# Altium PCB EDA-03518-V3-0_pcb.pcbdoc (part 4 of 14) (continued)
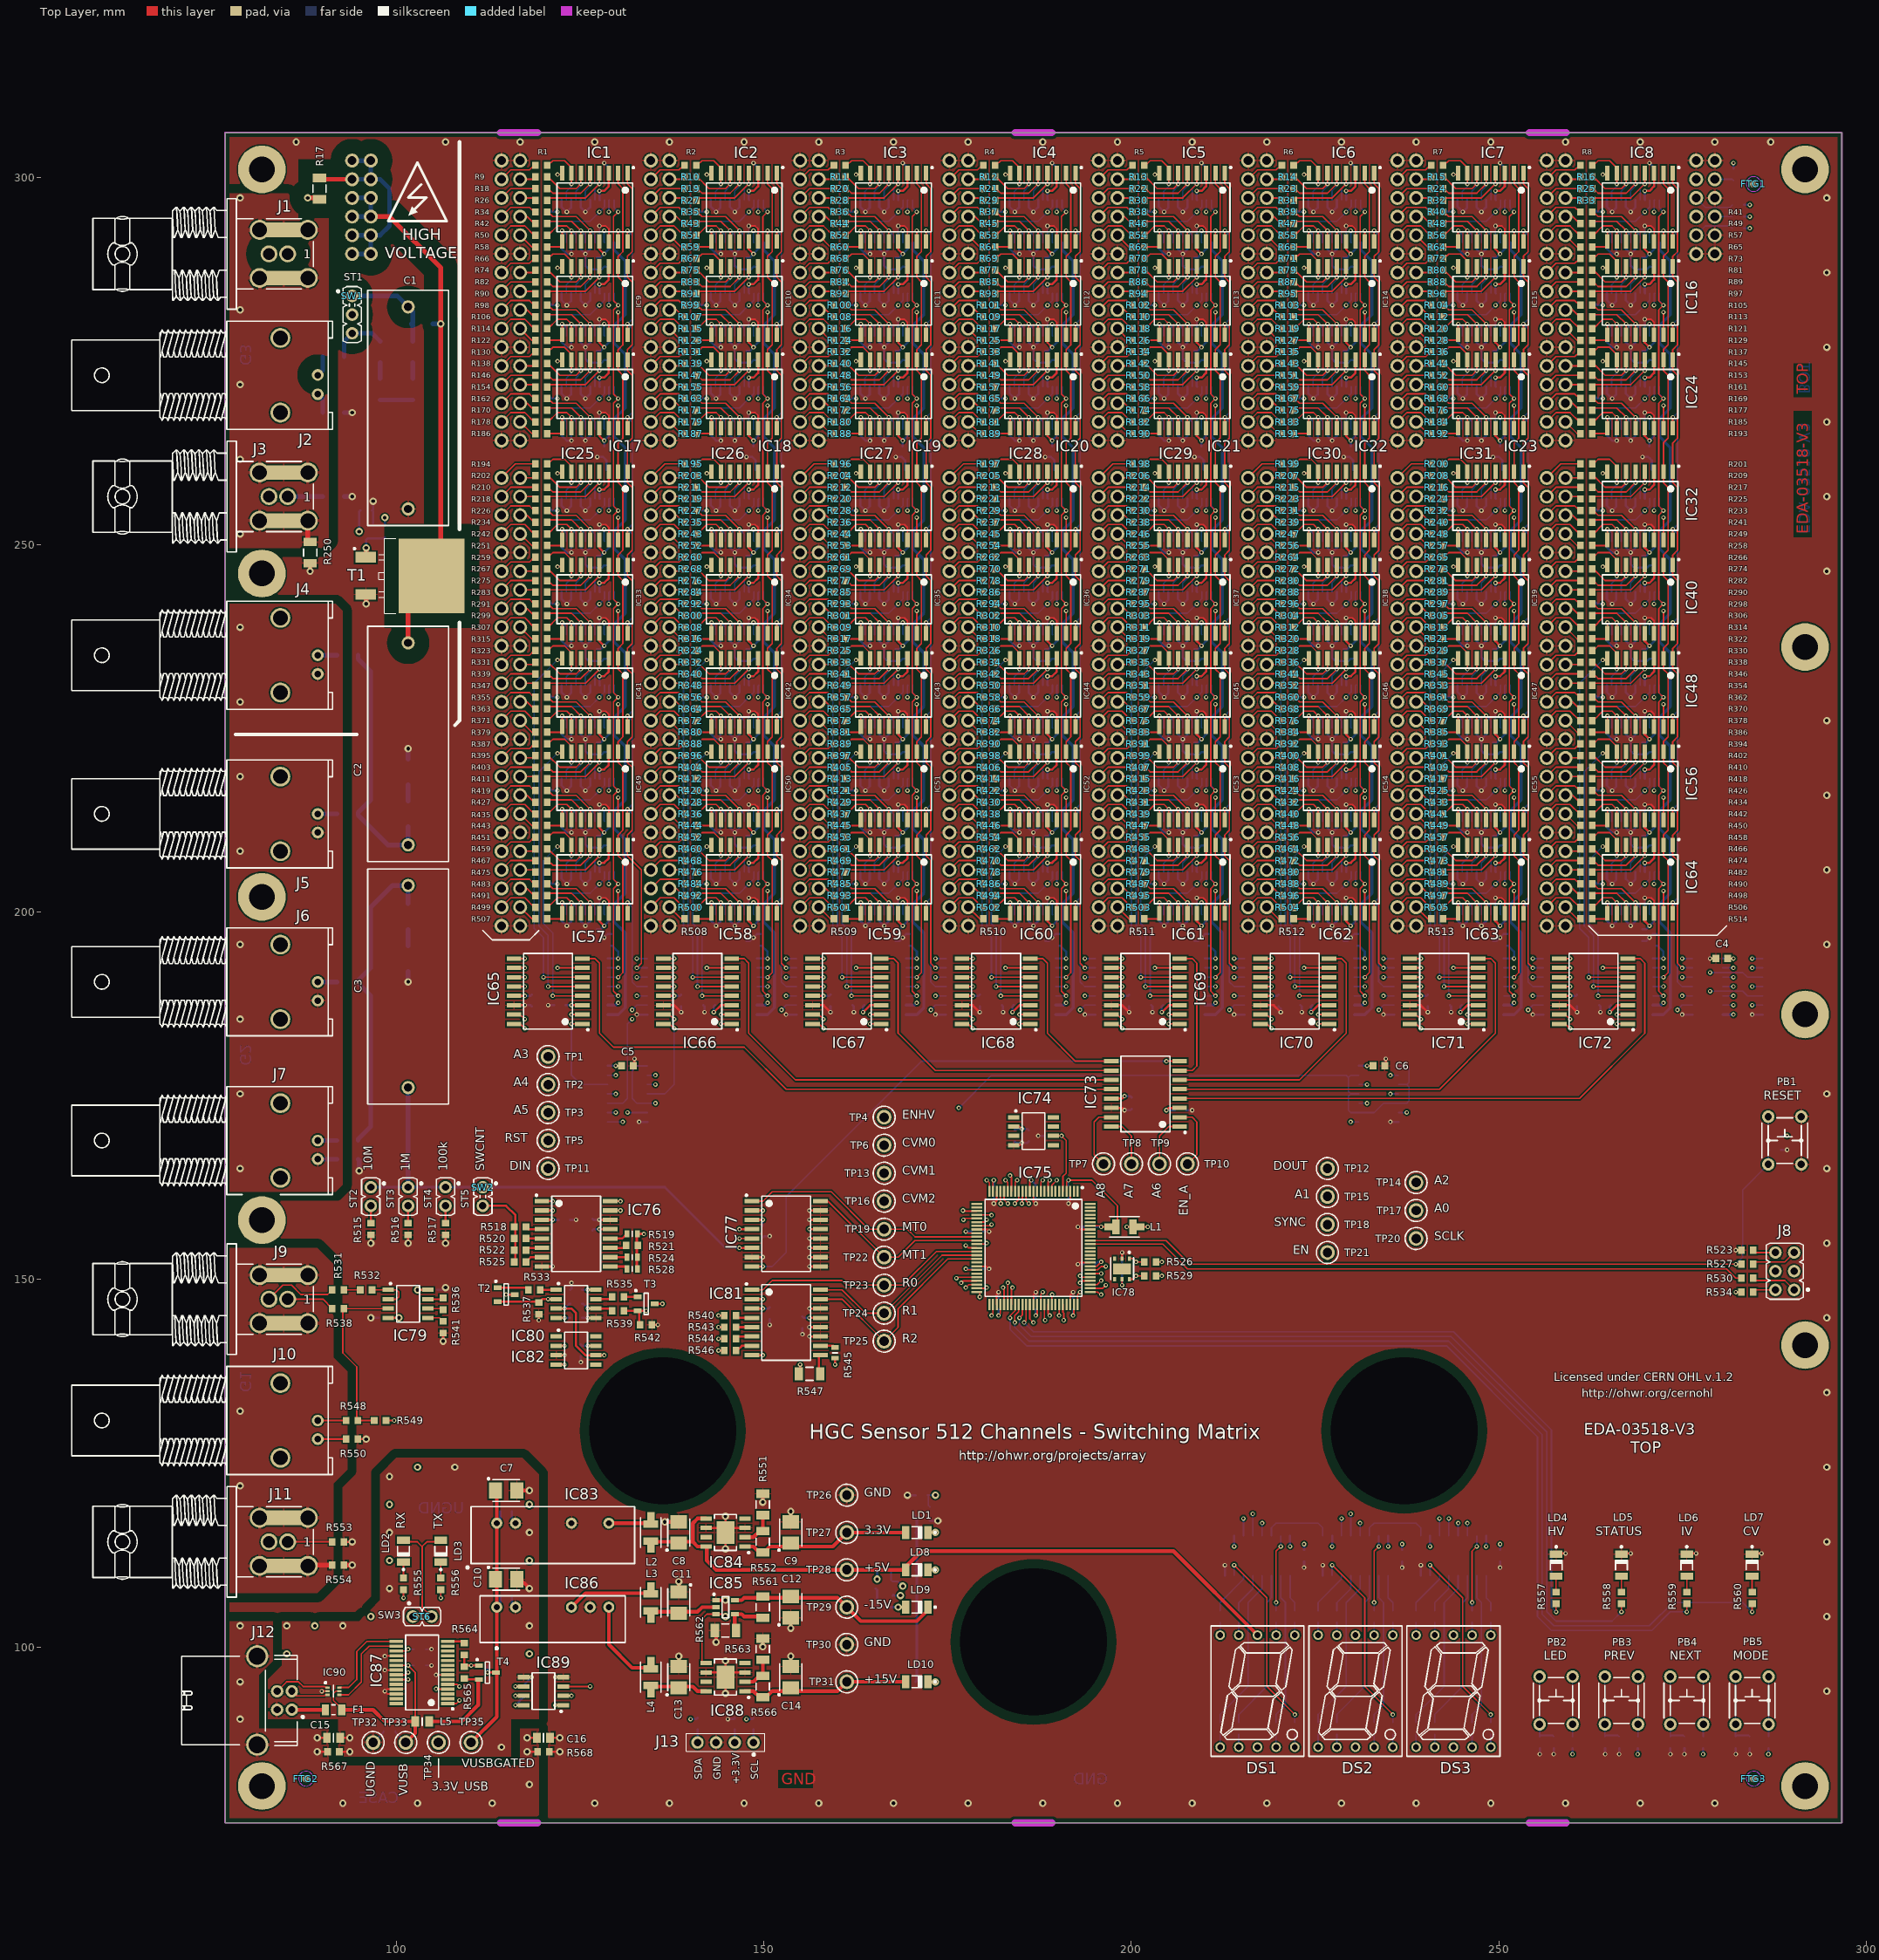
[diagram p0: Top Layer view]
## Nets (pads, with @x,y where several pads share a name; then routed paths per layer and width w, separated by ;. In a path a pad name is that pad's centre, name@x,y a point inside that pad or via, vN(x,y) a via of type N, cw(c..) or ccw(c..) an arc to the next point about the centre after c; other vN are vias at no path point) (continued)
+VREF: C173.2 IC74.6 IC75.5 | length 9.9
  Top Layer w0.203: IC74.6@189.39,169.545 v1(190.5,169.545) 191.135,168.91 191.135,164.465 190.69,164.02 IC75.5@190.69,162.005
  Bottom Layer w0.203: C173.2@189.713,169.545 v1(190.5,169.545)
-15V: C12.2 C17.2 C18.2 C19.2 C20.2 C21.2 C22.2 C23.2 C24.2 C33.2 C34.2 C35.2 C36.2 C37.2 C38.2 C39.2 C40.2 C49.2 C50.2 C51.2 C52.2 C53.2 C54.2 C55.2 C56.2 C65.2 C66.2 C67.2 C68.2 C69.2 C70.2 C71.2 C72.2 C81.2 C82.2 C83.2 C84.2 C85.2 C86.2 C87.2 C88.2 C97.2 C98.2 C99.2 C100.2 C101.2 C102.2 C103.2 C104.2 C113.2 C114.2 C115.2 C116.2 C117.2 C118.2 C119.2 C120.2 C129.2 C130.2 C131.2 C132.2 C133.2 C134.2 C135.2 C136.2 C161.2 C162.2 C163.2 C164.2 C165.2 C166.2 C167.2 C168.2 C170.2 C179.1 C180.1 C192.2 C194.2 C195.1 C197.2 IC1.3 IC2.3 IC3.3 IC4.3 IC5.3 IC6.3 IC7.3 IC8.3 IC9.3 IC10.3 IC11.3 IC12.3 IC13.3 IC14.3 IC15.3 IC16.3 IC17.3 IC18.3 IC19.3 IC20.3 IC21.3 IC22.3 IC23.3 IC24.3 IC25.3 IC26.3 IC27.3 IC28.3 IC29.3 IC30.3 IC31.3 IC32.3 IC33.3 IC34.3 IC35.3 IC36.3 IC37.3 IC38.3 IC39.3 IC40.3 IC41.3 IC42.3 IC43.3 IC44.3 IC45.3 IC46.3 IC47.3 IC48.3 IC49.3 IC50.3 IC51.3 IC52.3 IC53.3 IC54.3 IC55.3 IC56.3 IC57.3 IC58.3 IC59.3 IC60.3 IC61.3 IC62.3 IC63.3 IC64.3 IC65.3 IC66.3 IC67.3 IC68.3 IC69.3 IC70.3 IC71.3 IC72.3 IC73.3 IC76.3 IC77.3 IC79.4 IC80.4 IC81.3 IC82.4 IC85.5 IC91.21 IC92.21 IC93.21 IC94.21 IC95.21 IC96.21 IC97.21 IC98.21 IC99.21 IC100.21 IC101.21 IC102.21 IC103.21 IC104.21 IC105.21 IC106.21 IC107.21 IC108.21 IC109.21 IC110.21 IC111.21 IC112.21 IC113.21 IC114.21 IC115.21 IC116.21 IC117.21 IC118.21 IC119.21 IC120.21 IC121.21 IC122.21 IC123.21 IC124.21 IC125.21 IC126.21 IC127.21 IC128.21 IC129.21 IC130.21 IC131.21 IC132.21 IC133.21 IC134.21 IC135.21 IC136.21 IC137.21 IC138.21 IC139.21 IC140.21 IC141.21 IC142.21 IC143.21 IC144.21 IC145.21 IC146.21 IC147.21 IC148.21 IC149.21 IC150.21 IC151.21 IC152.21 IC153.21 IC154.21 LD9.1 R561.1 TP29.1 | length 475.4
  Top Layer w0.305: IC79.4@98.9,144.78 v2(100.33,144.78) ; IC76.3@119.81,158.115 v1(121.285,158.115) ; IC82.4@121.76,138.43 v1(122.872,138.43) ; IC80.4@121.76,144.78 v1(122.872,144.78) ; v1(123.825,187.325) IC65.3@125.3,187.325 ; v1(127.635,206.692) 128.27,206.692 128.905,207.327 IC57.3@128.905,209.12 ; v1(127.635,219.392) 128.27,219.392 128.905,220.028 IC49.3@128.905,221.82 ; v1(127.635,232.093) 128.27,232.093 128.905,232.727 IC41.3@128.905,234.52 ; v1(127.635,244.792) 128.27,244.792 128.905,245.427 IC33.3@128.905,247.22 ; v1(127.635,257.493) 128.27,257.493 128.905,258.127 IC25.3@128.905,259.92 ; v1(127.635,272.733) 128.27,272.733 128.905,273.368 IC17.3@128.905,275.16 ; v1(127.635,285.433) 128.27,285.433 128.905,286.067 IC9.3@128.905,287.86 ; v1(127.635,298.132) 128.27,298.132 128.905,298.767 IC1.3@128.905,300.56 ; v1(143.192,186.373) 144.145,187.325 IC66.3@145.62,187.325 ; v1(147.955,206.692) 148.59,206.692 149.225,207.327 IC58.3@149.225,209.12 ; v1(147.955,219.392) 148.59,219.392 149.225,220.028 IC50.3@149.225,221.82 ; v1(147.955,232.093) 148.59,232.093 149.225,232.727 IC42.3@149.225,234.52 ; v1(147.955,244.792) 148.59,244.792 149.225,245.427 IC34.3@149.225,247.22 ; v1(147.955,257.493) 148.59,257.493 149.225,258.127 IC26.3@149.225,259.92 ; v1(147.955,272.733) 148.59,272.733 149.225,273.368 IC18.3@149.225,275.16 ; v1(147.955,285.433) 148.59,285.433 149.225,286.067 IC10.3@149.225,287.86 ; v1(147.955,298.132) 148.59,298.132 149.225,298.767 IC2.3@149.225,300.56 ; IC81.3@148.385,146.05 v1(149.86,146.05) ; IC77.3@148.385,158.115 v1(149.86,158.115) ; v1(163.512,186.373) 164.465,187.325 IC67.3@165.94,187.325 ; v1(168.275,206.692) 168.91,206.692 169.545,207.327 IC59.3@169.545,209.12 ; v1(168.275,219.392) 168.91,219.392 169.545,220.028 IC51.3@169.545,221.82 ; v1(168.275,232.093) 168.91,232.093 169.545,232.727 IC43.3@169.545,234.52 ; v1(168.275,244.792) 168.91,244.792 169.545,245.427 IC35.3@169.545,247.22 ; v1(168.275,257.493) 168.91,257.493 169.545,258.127 IC27.3@169.545,259.92 ; v1(168.275,272.733) 168.91,272.733 169.545,273.368 IC19.3@169.545,275.16 ; v1(168.275,285.433) 168.91,285.433 169.545,286.067 IC11.3@169.545,287.86 ; v1(168.275,298.132) 168.91,298.132 169.545,298.767 IC3.3@169.545,300.56 ; v1(183.832,186.373) 184.785,187.325 IC68.3@186.26,187.325 ; v1(188.595,206.692) 189.23,206.692 189.865,207.327 IC60.3@189.865,209.12 ; v1(188.595,219.392) 189.23,219.392 189.865,220.028 IC52.3@189.865,221.82 ; v1(188.595,232.093) 189.23,232.093 189.865,232.727 IC44.3@189.865,234.52 ; v1(188.595,244.792) 189.23,244.792 189.865,245.427 IC36.3@189.865,247.22 ; v1(188.595,257.493) 189.23,257.493 189.865,258.127 IC28.3@189.865,259.92 ; v1(188.595,272.733) 189.23,272.733 189.865,273.368 IC20.3@189.865,275.16 ; v1(188.595,285.433) 189.23,285.433 189.865,286.067 IC12.3@189.865,287.86 ; v1(188.595,298.132) 189.23,298.132 189.865,298.767 IC4.3@189.865,300.56 ; v1(204.153,186.373) 205.105,187.325 IC69.3@206.58,187.325 ; v1(204.787,173.037) 205.105,173.355 IC73.3@206.58,173.355 ; v1(208.915,206.692) 209.55,206.692 210.185,207.327 IC61.3@210.185,209.12 ; v1(208.915,219.392) 209.55,219.392 210.185,220.028 IC53.3@210.185,221.82 ; v1(208.915,232.093) 209.55,232.093 210.185,232.727 IC45.3@210.185,234.52 ; v1(208.915,244.792) 209.55,244.792 210.185,245.427 IC37.3@210.185,247.22 ; v1(208.915,257.493) 209.55,257.493 210.185,258.127 IC29.3@210.185,259.92 ; v1(208.915,272.733) 209.55,272.733 210.185,273.368 IC21.3@210.185,275.16 ; v1(208.915,285.433) 209.55,285.433 210.185,286.067 IC13.3@210.185,287.86 ; v1(208.915,298.132) 209.55,298.132 210.185,298.767 IC5.3@210.185,300.56 ; v1(224.472,186.373) 225.425,187.325 IC70.3@226.9,187.325 ; v1(229.235,206.692) 229.87,206.692 230.505,207.327 IC62.3@230.505,209.12 ; v1(229.235,219.392) 229.87,219.392 230.505,220.028 IC54.3@230.505,221.82 ; v1(229.235,232.093) 229.87,232.093 230.505,232.727 IC46.3@230.505,234.52 ; v1(229.235,244.792) 229.87,244.792 230.505,245.427 IC38.3@230.505,247.22 ; v1(229.235,257.493) 229.87,257.493 230.505,258.127 IC30.3@230.505,259.92 ; v1(229.235,272.733) 229.87,272.733 230.505,273.368 IC22.3@230.505,275.16 ; v1(229.235,285.433) 229.87,285.433 230.505,286.067 IC14.3@230.505,287.86 ; v1(229.235,298.132) 229.87,298.132 230.505,298.767 IC6.3@230.505,300.56 ; v1(244.792,186.373) 245.745,187.325 IC71.3@247.22,187.325 ; v1(249.555,206.692) 250.19,206.692 250.825,207.327 IC63.3@250.825,209.12 ; v1(249.555,219.392) 250.19,219.392 250.825,220.028 IC55.3@250.825,221.82 ; v1(249.555,232.093) 250.19,232.093 250.825,232.727 IC47.3@250.825,234.52 ; v1(249.555,244.792) 250.19,244.792 250.825,245.427 IC39.3@250.825,247.22 ; v1(249.555,257.493) 250.19,257.493 250.825,258.127 IC31.3@250.825,259.92 ; v1(249.555,272.733) 250.19,272.733 250.825,273.368 IC23.3@250.825,275.16 ; v1(249.555,285.433) 250.19,285.433 250.825,286.067 IC15.3@250.825,287.86 ; v1(249.555,298.132) 250.19,298.132 250.825,298.767 IC7.3@250.825,300.56 ; v1(265.113,186.373) 266.065,187.325 IC72.3@267.54,187.325 ; v1(269.875,206.692) 270.51,206.692 271.145,207.327 IC64.3@271.145,209.12 ; v1(269.875,219.392) 270.51,219.392 271.145,220.028 IC56.3@271.145,221.82 ; v1(269.875,232.093) 270.51,232.093 271.145,232.727 IC48.3@271.145,234.52 ; v1(269.875,244.792) 270.51,244.792 271.145,245.427 IC40.3@271.145,247.22 ; v1(269.875,257.493) 270.51,257.493 271.145,258.127 IC32.3@271.145,259.92 ; v1(269.875,272.733) 270.51,272.733 271.145,273.368 IC24.3@271.145,275.16 ; v1(269.875,285.433) 270.51,285.433 271.145,286.067 IC16.3@271.145,287.86 ; v1(269.875,298.132) 270.51,298.132 271.145,298.767 IC8.3@271.145,300.56
  Top Layer w0.508: IC85.5@146.08,106.36 147,106.36 147.32,106.68 149.68,106.68 R561.1@149.86,106.86 150.04,106.68 153.49,106.68 C12.2@153.67,106.86 153.85,106.68 160.02,106.68 TP29.1@161.29,105.41 163.195,103.505 170.815,103.505 172.315,105.005 LD9.1@172.315,105.41
  Bottom Layer w0.305: C195.1@99.225,144.78 v2(100.33,144.78) ; v1(121.285,158.115) C179.1@122.072,158.115 ; C197.2@121.602,138.265 121.768,138.43 v1(122.872,138.43) ; v1(122.872,144.78) C194.2@123.66,144.78 ; C168.2@123.038,187.325 v1(123.825,187.325) ; IC154.21@127.673,205.465 127.635,205.502 v1(127.635,206.692) 128.27,206.692 128.905,207.327 C136.2@128.905,207.48 ; IC146.21@127.673,218.165 127.635,218.202 v1(127.635,219.392) 128.27,219.392 128.905,220.028 C120.2@128.905,220.18 ; IC138.21@127.673,230.865 127.635,230.902 v1(127.635,232.093) 128.27,232.093 128.905,232.727 C104.2@128.905,232.88 ; IC130.21@127.673,243.565 127.635,243.602 v1(127.635,244.792) 128.27,244.792 128.905,245.427 C88.2@128.905,245.58 ; IC122.21@127.673,256.265 127.635,256.302 v1(127.635,257.493) 128.27,257.493 128.905,258.127 C72.2@128.905,258.28 ; IC114.21@127.673,271.505 127.635,271.542 v1(127.635,272.733) 128.27,272.733 128.905,273.368 C56.2@128.905,273.52 ; IC106.21@127.673,284.205 127.635,284.242 v1(127.635,285.433) 128.27,285.433 128.905,286.067 C40.2@128.905,286.22 ; IC98.21@127.673,296.905 127.635,296.942 v1(127.635,298.132) 128.27,298.132 128.905,298.767 C24.2@128.905,298.92 ; v1(143.192,186.373) 143.192,187.16 C167.2@143.358,187.325 ; IC153.21@147.993,205.465 147.955,205.502 v1(147.955,206.692) 148.59,206.692 149.225,207.327 C135.2@149.225,207.48 ; IC145.21@147.993,218.165 147.955,218.202 v1(147.955,219.392) 148.59,219.392 149.225,220.028 C119.2@149.225,220.18 ; IC137.21@147.993,230.865 147.955,230.902 v1(147.955,232.093) 148.59,232.093 149.225,232.727 C103.2@149.225,232.88 ; IC129.21@147.993,243.565 147.955,243.602 v1(147.955,244.792) 148.59,244.792 149.225,245.427 C87.2@149.225,245.58 ; IC121.21@147.993,256.265 147.955,256.302 v1(147.955,257.493) 148.59,257.493 149.225,258.127 C71.2@149.225,258.28 ; IC113.21@147.993,271.505 147.955,271.542 v1(147.955,272.733) 148.59,272.733 149.225,273.368 C55.2@149.225,273.52 ; IC105.21@147.993,284.205 147.955,284.242 v1(147.955,285.433) 148.59,285.433 149.225,286.067 C39.2@149.225,286.22 ; IC97.21@147.993,296.905 147.955,296.942 v1(147.955,298.132) 148.59,298.132 149.225,298.767 C23.2@149.225,298.92 ; v1(149.86,146.05) 150.647,146.05 C192.2@150.812,146.215 ; C180.1@149.86,157.328 v1(149.86,158.115) ; v1(163.512,186.373) 163.512,187.16 C166.2@163.678,187.325 ; IC152.21@168.313,205.465 168.275,205.502 v1(168.275,206.692) 168.91,206.692 169.545,207.327 C134.2@169.545,207.48 ; IC144.21@168.313,218.165 168.275,218.202 v1(168.275,219.392) 168.91,219.392 169.545,220.028 C118.2@169.545,220.18 ; IC136.21@168.313,230.865 168.275,230.902 v1(168.275,232.093) 168.91,232.093 169.545,232.727 C102.2@169.545,232.88 ; IC128.21@168.313,243.565 168.275,243.602 v1(168.275,244.792) 168.91,244.792 169.545,245.427 C86.2@169.545,245.58 ; IC120.21@168.313,256.265 168.275,256.302 v1(168.275,257.493) 168.91,257.493 169.545,258.127 C70.2@169.545,258.28 ; IC112.21@168.313,271.505 168.275,271.542 v1(168.275,272.733) 168.91,272.733 169.545,273.368 C54.2@169.545,273.52 ; IC104.21@168.313,284.205 168.275,284.242 v1(168.275,285.433) 168.91,285.433 169.545,286.067 C38.2@169.545,286.22 ; IC96.21@168.313,296.905 168.275,296.942 v1(168.275,298.132) 168.91,298.132 169.545,298.767 C22.2@169.545,298.92 ; v1(183.832,186.373) 183.832,187.16 C165.2@183.998,187.325 ; IC151.21@188.633,205.465 188.595,205.502 v1(188.595,206.692) 189.23,206.692 189.865,207.327 C133.2@189.865,207.48 ; IC143.21@188.633,218.165 188.595,218.202 v1(188.595,219.392) 189.23,219.392 189.865,220.028 C117.2@189.865,220.18 ; IC135.21@188.633,230.865 188.595,230.902 v1(188.595,232.093) 189.23,232.093 189.865,232.727 C101.2@189.865,232.88 ; IC127.21@188.633,243.565 188.595,243.602 v1(188.595,244.792) 189.23,244.792 189.865,245.427 C85.2@189.865,245.58 ; IC119.21@188.633,256.265 188.595,256.302 v1(188.595,257.493) 189.23,257.493 189.865,258.127 C69.2@189.865,258.28 ; IC111.21@188.633,271.505 188.595,271.542 v1(188.595,272.733) 189.23,272.733 189.865,273.368 C53.2@189.865,273.52 ; IC103.21@188.633,284.205 188.595,284.242 v1(188.595,285.433) 189.23,285.433 189.865,286.067 C37.2@189.865,286.22 ; IC95.21@188.633,296.905 188.595,296.942 v1(188.595,298.132) 189.23,298.132 189.865,298.767 C21.2@189.865,298.92 ; v1(204.153,186.373) 204.153,187.16 C164.2@204.318,187.325 ; v1(204.787,173.037) C170.2@205.892,173.037 ; IC150.21@208.953,205.465 208.915,205.502 v1(208.915,206.692) 209.55,206.692 210.185,207.327 C132.2@210.185,207.48 ; IC142.21@208.953,218.165 208.915,218.202 v1(208.915,219.392) 209.55,219.392 210.185,220.028 C116.2@210.185,220.18 ; IC134.21@208.953,230.865 208.915,230.902 v1(208.915,232.093) 209.55,232.093 210.185,232.727 C100.2@210.185,232.88 ; IC126.21@208.953,243.565 208.915,243.602 v1(208.915,244.792) 209.55,244.792 210.185,245.427 C84.2@210.185,245.58 ; IC118.21@208.953,256.265 208.915,256.302 v1(208.915,257.493) 209.55,257.493 210.185,258.127 C68.2@210.185,258.28 ; IC110.21@208.953,271.505 208.915,271.542 v1(208.915,272.733) 209.55,272.733 210.185,273.368 C52.2@210.185,273.52 ; IC102.21@208.953,284.205 208.915,284.242 v1(208.915,285.433) 209.55,285.433 210.185,286.067 C36.2@210.185,286.22 ; IC94.21@208.953,296.905 208.915,296.942 v1(208.915,298.132) 209.55,298.132 210.185,298.767 C20.2@210.185,298.92 ; v1(224.472,186.373) 224.472,187.16 C163.2@224.638,187.325 ; IC149.21@229.273,205.465 229.235,205.502 v1(229.235,206.692) 229.87,206.692 230.505,207.327 C131.2@230.505,207.48 ; IC141.21@229.273,218.165 229.235,218.202 v1(229.235,219.392) 229.87,219.392 230.505,220.028 C115.2@230.505,220.18 ; IC133.21@229.273,230.865 229.235,230.902 v1(229.235,232.093) 229.87,232.093 230.505,232.727 C99.2@230.505,232.88 ; IC125.21@229.273,243.565 229.235,243.602 v1(229.235,244.792) 229.87,244.792 230.505,245.427 C83.2@230.505,245.58 ; IC117.21@229.273,256.265 229.235,256.302 v1(229.235,257.493) 229.87,257.493 230.505,258.127 C67.2@230.505,258.28 ; IC109.21@229.273,271.505 229.235,271.542 v1(229.235,272.733) 229.87,272.733 230.505,273.368 C51.2@230.505,273.52 ; IC101.21@229.273,284.205 229.235,284.242 v1(229.235,285.433) 229.87,285.433 230.505,286.067 C35.2@230.505,286.22 ; IC93.21@229.273,296.905 229.235,296.942 v1(229.235,298.132) 229.87,298.132 230.505,298.767 C19.2@230.505,298.92 ; v1(244.792,186.373) 244.792,187.16 C162.2@244.958,187.325 ; IC148.21@249.593,205.465 249.555,205.502 v1(249.555,206.692) 250.19,206.692 250.825,207.327 C130.2@250.825,207.48 ; IC140.21@249.593,218.165 249.555,218.202 v1(249.555,219.392) 250.19,219.392 250.825,220.028 C114.2@250.825,220.18 ; IC132.21@249.593,230.865 249.555,230.902 v1(249.555,232.093) 250.19,232.093 250.825,232.727 C98.2@250.825,232.88 ; IC124.21@249.593,243.565 249.555,243.602 v1(249.555,244.792) 250.19,244.792 250.825,245.427 C82.2@250.825,245.58 ; IC116.21@249.593,256.265 249.555,256.302 v1(249.555,257.493) 250.19,257.493 250.825,258.127 C66.2@250.825,258.28 ; IC108.21@249.593,271.505 249.555,271.542 v1(249.555,272.733) 250.19,272.733 250.825,273.368 C50.2@250.825,273.52 ; IC100.21@249.593,284.205 249.555,284.242 v1(249.555,285.433) 250.19,285.433 250.825,286.067 C34.2@250.825,286.22 ; IC92.21@249.593,296.905 249.555,296.942 v1(249.555,298.132) 250.19,298.132 250.825,298.767 C18.2@250.825,298.92 ; v1(265.113,186.373) 265.113,187.16 C161.2@265.278,187.325 ; IC147.21@269.913,205.465 269.875,205.502 v1(269.875,206.692) 270.51,206.692 271.145,207.327 C129.2@271.145,207.48 ; IC139.21@269.913,218.165 269.875,218.202 v1(269.875,219.392) 270.51,219.392 271.145,220.028 C113.2@271.145,220.18 ; IC131.21@269.913,230.865 269.875,230.902 v1(269.875,232.093) 270.51,232.093 271.145,232.727 C97.2@271.145,232.88 ; IC123.21@269.913,243.565 269.875,243.602 v1(269.875,244.792) 270.51,244.792 271.145,245.427 C81.2@271.145,245.58 ; IC115.21@269.913,256.265 269.875,256.302 v1(269.875,257.493) 270.51,257.493 271.145,258.127 C65.2@271.145,258.28 ; IC107.21@269.913,271.505 269.875,271.542 v1(269.875,272.733) 270.51,272.733 271.145,273.368 C49.2@271.145,273.52 ; IC99.21@269.913,284.205 269.875,284.242 v1(269.875,285.433) 270.51,285.433 271.145,286.067 C33.2@271.145,286.22 ; IC91.21@269.913,296.905 269.875,296.942 v1(269.875,298.132) 270.51,298.132 271.145,298.767 C17.2@271.145,298.92
A0B: IC155.2 IC156.1 IC157.1 IC158.1 IC159.1 IC160.1 IC161.1 IC162.1 IC163.1 | length 169.4
  L3 w0.203: v1(132.715,193.675) 133.35,194.31 152.4,194.31 v1(153.035,193.675) 153.67,194.31 172.72,194.31 v1(173.355,193.675) 173.99,194.31 193.04,194.31 v1(193.675,193.675) 194.31,194.31 213.36,194.31 v1(213.995,193.675) 214.63,194.31 233.68,194.31 v1(234.315,193.675) 234.95,194.31 254,194.31 v1(254.635,193.675) 255.27,194.31 274.32,194.31 v1(274.955,193.675) 275.59,194.31 282.575,194.31 v1(284.48,192.405)
  Bottom Layer w0.203: v1(132.715,193.675) IC163.1@134.145,193.675 ; v1(153.035,193.675) IC162.1@154.465,193.675 ; v1(173.355,193.675) IC161.1@174.785,193.675 ; v1(193.675,193.675) IC160.1@195.105,193.675 ; v1(213.995,193.675) IC159.1@215.425,193.675 ; v1(234.315,193.675) IC158.1@235.745,193.675 ; v1(254.635,193.675) IC157.1@256.065,193.675 ; v1(274.955,193.675) IC156.1@276.385,193.675 ; v1(284.48,192.405) IC155.2@285.91,192.405
A0B_1: IC1.1 IC9.1 IC17.1 IC25.1 IC33.1 IC41.1 IC49.1 IC57.1 IC163.2 | length 114.3
  Top Layer w0.203: IC1.1@131.445,300.56 131.445,299.085 132.08,298.45 132.08,289.877 131.445,289.243 IC9.1@131.445,287.86 131.445,286.385 132.08,285.75 132.08,277.178 131.445,276.542 IC17.1@131.445,275.16 131.445,273.685 132.08,273.05 132.08,264.477 131.445,263.842 IC25.1@131.445,259.92 131.445,258.445 132.08,257.81 132.08,249.237 131.445,248.602 IC33.1@131.445,247.22 131.445,245.745 132.08,245.11 132.08,236.537 131.445,235.903 IC41.1@131.445,234.52 131.445,233.045 132.08,232.41 132.08,223.837 131.445,223.202 IC49.1@131.445,221.82 131.445,220.345 132.08,219.71 132.08,211.137 131.445,210.502 IC57.1@131.445,209.12 131.445,207.645 133.35,205.74 133.35,193.04 v1(132.715,192.405)
  Bottom Layer w0.203: v1(132.715,192.405) IC163.2@134.145,192.405
A0B_2: IC2.1 IC10.1 IC18.1 IC26.1 IC34.1 IC42.1 IC50.1 IC58.1 IC162.2 | length 113.8
  Top Layer w0.203: IC2.1@151.765,300.56 151.765,299.085 152.4,298.45 152.4,289.877 151.765,289.243 IC10.1@151.765,287.86 151.765,286.385 152.4,285.75 152.4,277.178 151.765,276.542 IC18.1@151.765,275.16 151.765,273.685 152.4,273.05 152.4,264.477 151.765,263.842 IC26.1@151.765,259.92 151.765,258.445 152.4,257.81 152.4,249.237 151.765,248.602 IC34.1@151.765,247.22 151.765,245.745 152.4,245.11 152.4,236.537 151.765,235.903 IC42.1@151.765,234.52 151.765,233.045 152.4,232.41 152.4,223.837 151.765,223.202 IC50.1@151.765,221.82 151.765,220.345 152.4,219.71 152.4,211.137 151.765,210.502 IC58.1@151.765,209.12 151.765,207.645 152.4,207.01 152.4,193.04 v1(153.035,192.405)
  Bottom Layer w0.203: v1(153.035,192.405) IC162.2@154.465,192.405
A0B_3: IC3.1 IC11.1 IC19.1 IC27.1 IC35.1 IC43.1 IC51.1 IC59.1 IC161.2 | length 113.8
  Top Layer w0.203: IC3.1@172.085,300.56 172.085,299.085 172.72,298.45 172.72,289.877 172.085,289.243 IC11.1@172.085,287.86 172.085,286.385 172.72,285.75 172.72,277.178 172.085,276.542 IC19.1@172.085,275.16 172.085,273.685 172.72,273.05 172.72,264.477 172.085,263.842 IC27.1@172.085,259.92 172.085,258.445 172.72,257.81 172.72,249.237 172.085,248.602 IC35.1@172.085,247.22 172.085,245.745 172.72,245.11 172.72,236.537 172.085,235.903 IC43.1@172.085,234.52 172.085,233.045 172.72,232.41 172.72,223.837 172.085,223.202 IC51.1@172.085,221.82 172.085,220.345 172.72,219.71 172.72,211.137 172.085,210.502 IC59.1@172.085,209.12 172.085,207.645 172.72,207.01 172.72,193.04 v1(173.355,192.405)
  Bottom Layer w0.203: v1(173.355,192.405) IC161.2@174.785,192.405
A0B_4: IC4.1 IC12.1 IC20.1 IC28.1 IC36.1 IC44.1 IC52.1 IC60.1 IC160.2 | length 113.8
  Top Layer w0.203: IC4.1@192.405,300.56 192.405,299.085 193.04,298.45 193.04,289.877 192.405,289.243 IC12.1@192.405,287.86 192.405,286.385 193.04,285.75 193.04,277.178 192.405,276.542 IC20.1@192.405,275.16 192.405,273.685 193.04,273.05 193.04,264.477 192.405,263.842 IC28.1@192.405,259.92 192.405,258.445 193.04,257.81 193.04,249.237 192.405,248.602 IC36.1@192.405,247.22 192.405,245.745 193.04,245.11 193.04,236.537 192.405,235.903 IC44.1@192.405,234.52 192.405,233.045 193.04,232.41 193.04,223.837 192.405,223.202 IC52.1@192.405,221.82 192.405,220.345 193.04,219.71 193.04,211.137 192.405,210.502 IC60.1@192.405,209.12 192.405,207.645 193.04,207.01 193.04,193.04 v1(193.675,192.405)
  Bottom Layer w0.203: v1(193.675,192.405) IC160.2@195.105,192.405
A0B_5: IC5.1 IC13.1 IC21.1 IC29.1 IC37.1 IC45.1 IC53.1 IC61.1 IC159.2 | length 113.8
  Top Layer w0.203: IC5.1@212.725,300.56 212.725,299.085 213.36,298.45 213.36,289.877 212.725,289.243 IC13.1@212.725,287.86 212.725,286.385 213.36,285.75 213.36,277.178 212.725,276.542 IC21.1@212.725,275.16 212.725,273.685 213.36,273.05 213.36,264.477 212.725,263.842 IC29.1@212.725,259.92 212.725,258.445 213.36,257.81 213.36,249.237 212.725,248.602 IC37.1@212.725,247.22 212.725,245.745 213.36,245.11 213.36,236.537 212.725,235.903 IC45.1@212.725,234.52 212.725,233.045 213.36,232.41 213.36,223.837 212.725,223.202 IC53.1@212.725,221.82 212.725,220.345 213.36,219.71 213.36,211.137 212.725,210.502 IC61.1@212.725,209.12 212.725,207.645 213.36,207.01 213.36,193.04 v1(213.995,192.405)
  Bottom Layer w0.203: v1(213.995,192.405) IC159.2@215.425,192.405
A0B_6: IC6.1 IC14.1 IC22.1 IC30.1 IC38.1 IC46.1 IC54.1 IC62.1 IC158.2 | length 113.8
  Top Layer w0.203: IC6.1@233.045,300.56 233.045,299.085 233.68,298.45 233.68,289.877 233.045,289.243 IC14.1@233.045,287.86 233.045,286.385 233.68,285.75 233.68,277.178 233.045,276.542 IC22.1@233.045,275.16 233.045,273.685 233.68,273.05 233.68,264.477 233.045,263.842 IC30.1@233.045,259.92 233.045,258.445 233.68,257.81 233.68,249.237 233.045,248.602 IC38.1@233.045,247.22 233.045,245.745 233.68,245.11 233.68,236.537 233.045,235.903 IC46.1@233.045,234.52 233.045,233.045 233.68,232.41 233.68,223.837 233.045,223.202 IC54.1@233.045,221.82 233.045,220.345 233.68,219.71 233.68,211.137 233.045,210.502 IC62.1@233.045,209.12 233.045,207.645 233.68,207.01 233.68,193.04 v1(234.315,192.405)
  Bottom Layer w0.203: v1(234.315,192.405) IC158.2@235.745,192.405
A0B_7: IC7.1 IC15.1 IC23.1 IC31.1 IC39.1 IC47.1 IC55.1 IC63.1 IC157.2 | length 113.8
  Top Layer w0.203: IC7.1@253.365,300.56 253.365,299.085 254,298.45 254,289.877 253.365,289.243 IC15.1@253.365,287.86 253.365,286.385 254,285.75 254,277.178 253.365,276.542 IC23.1@253.365,275.16 253.365,273.685 254,273.05 254,264.477 253.365,263.842 IC31.1@253.365,259.92 253.365,258.445 254,257.81 254,249.237 253.365,248.602 IC39.1@253.365,247.22 253.365,245.745 254,245.11 254,236.537 253.365,235.903 IC47.1@253.365,234.52 253.365,233.045 254,232.41 254,223.837 253.365,223.202 IC55.1@253.365,221.82 253.365,220.345 254,219.71 254,211.137 253.365,210.502 IC63.1@253.365,209.12 253.365,207.645 254,207.01 254,193.04 v1(254.635,192.405)
  Bottom Layer w0.203: v1(254.635,192.405) IC157.2@256.065,192.405